# KiCad board left.kicad_pcb (continued)
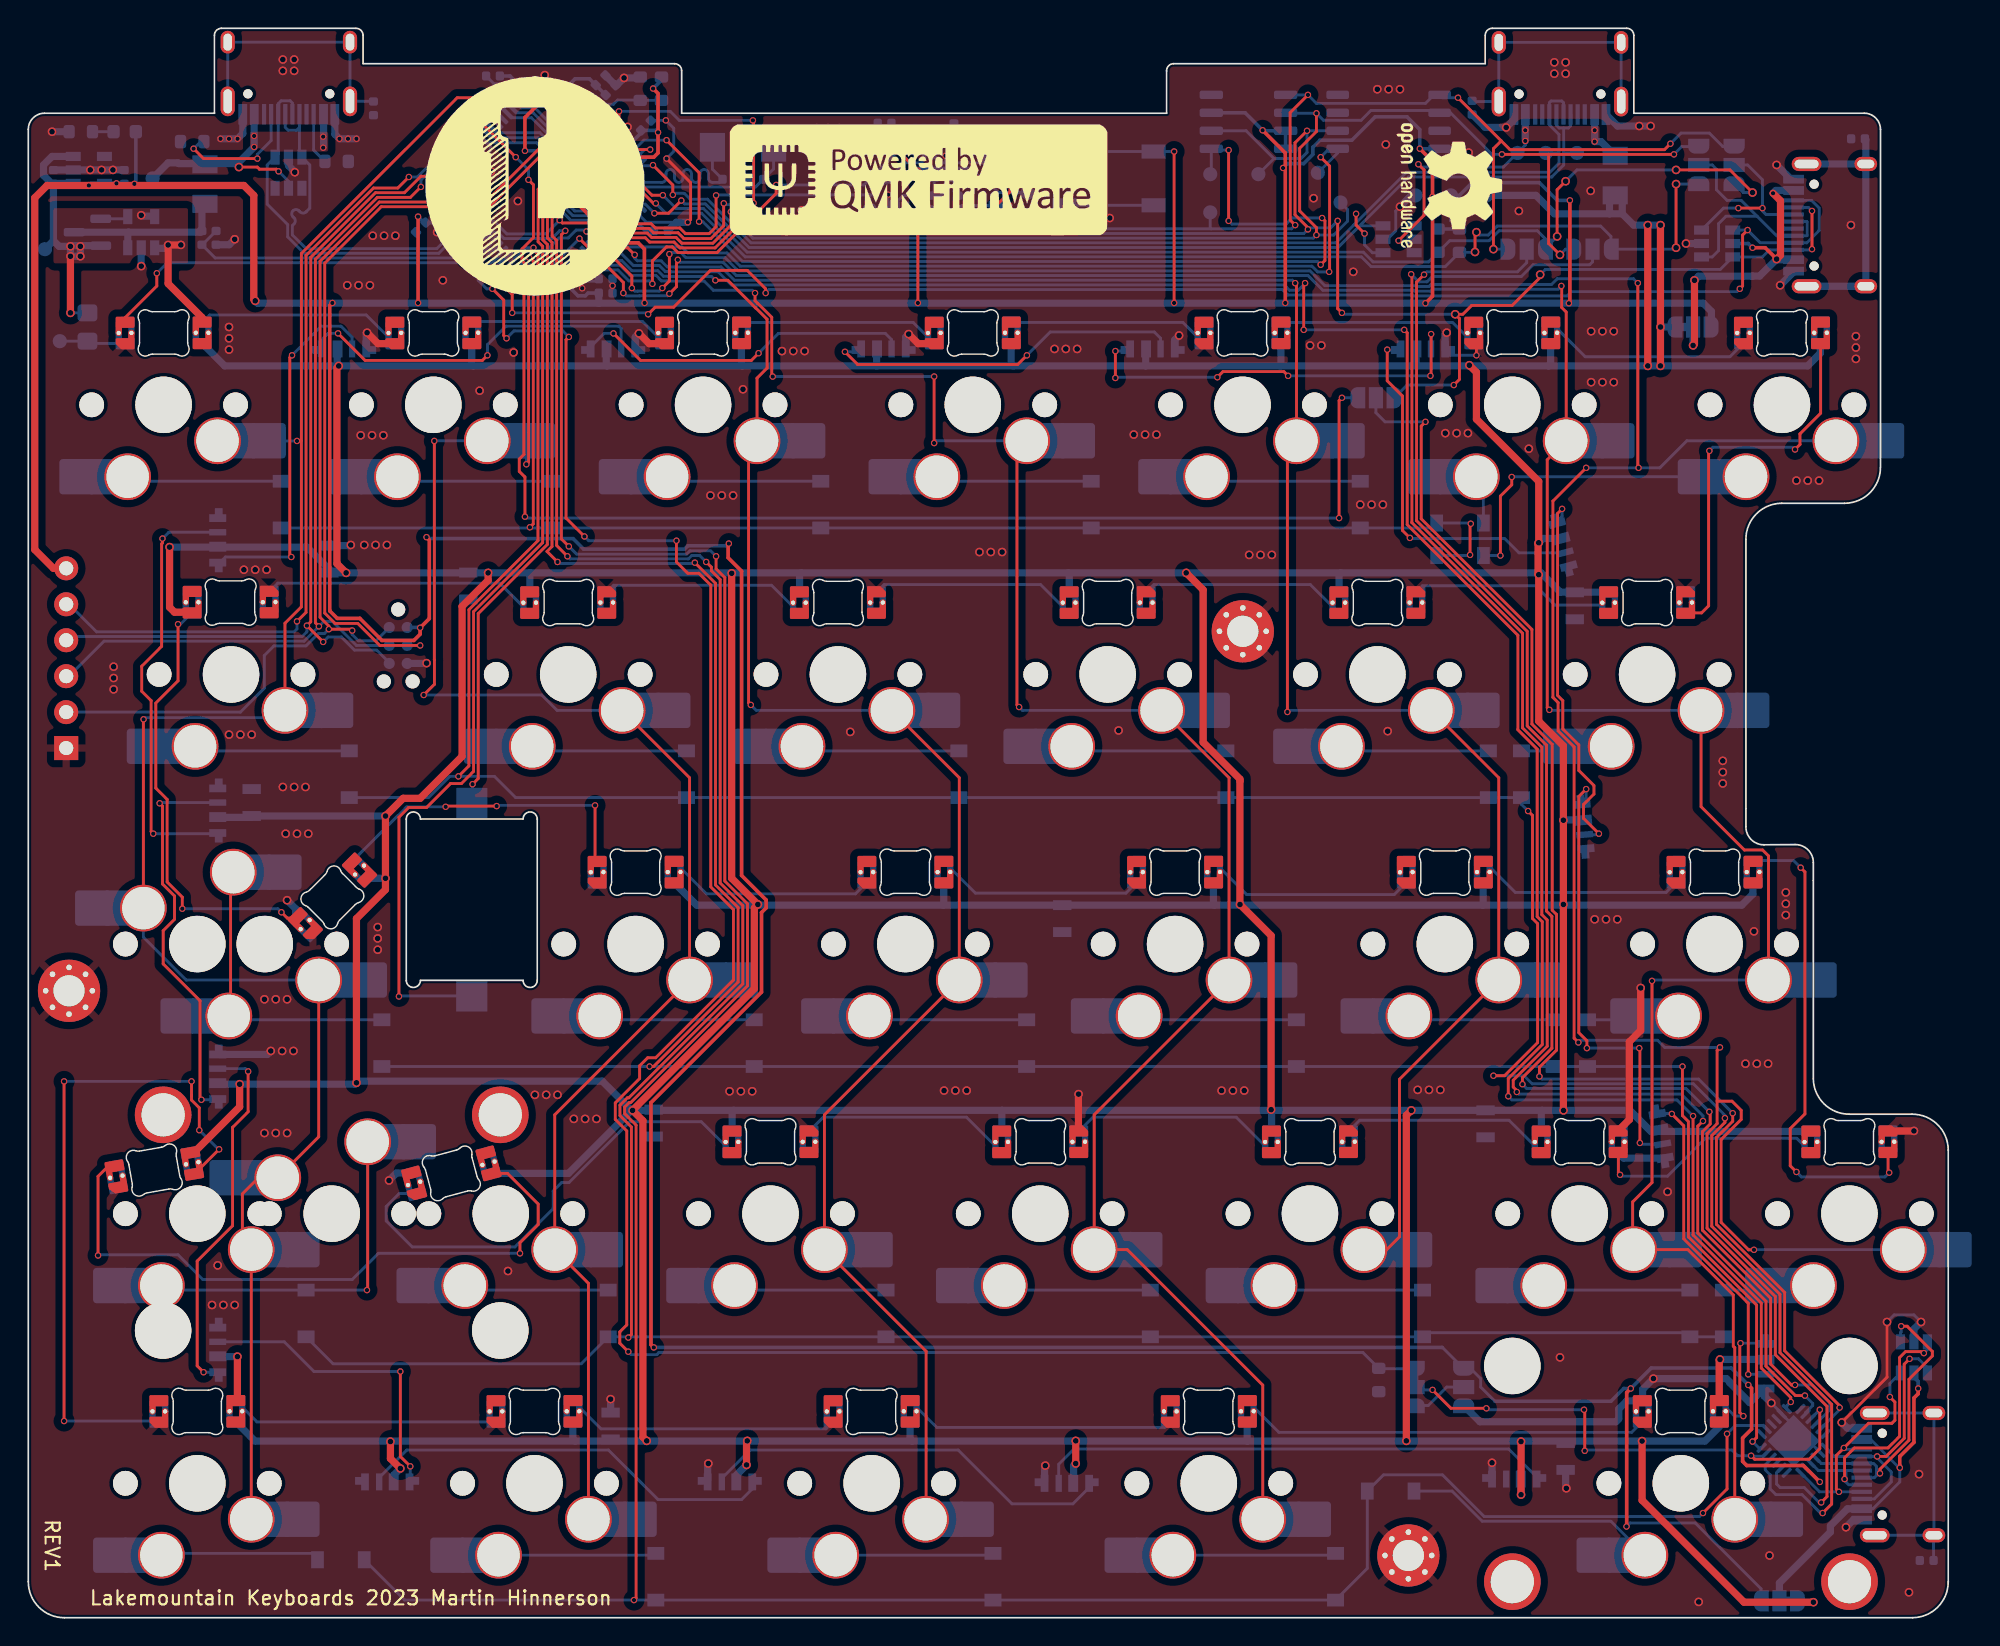
[diagram p0: board, top side]
## Routing (per net, layer and track width the routed paths; a pad name or vN(x,y) marks a point on that pad's centre or on a via; arc(x,y) is an arc through that point) (continued)
/CONN_CS: length 158.4
  Top w0.203: v2(97.17,90.99) 97.38,90.78 97.38,77.23 105.2,69.42 105.2,62.73 106.56,61.37 106.56,49.54 106.92,49.18 106.92,40.49 104.53,38.09 v2(104.53,36.84) ; v2(90.07,90.99) 90.07,94.19 v2(90.17,94.29) ; v2(124.47,15.24) 124.47,15.56 122.39,17.64 122.39,22.22 117.57,27.04 v2(117.57,35.44)
  Bottom w0.203: v2(117.57,35.44) 116.43,36.59 104.78,36.59 v2(104.53,36.84) ; v2(124.47,15.24) 124.19,14.96 U1.18 ; U3.25 40.85,96.44 41.83,96.44 42.73,95.54 44.56,95.54 44.99,95.11 45.36,95.11 45.38,95.09 48.73,95.09 49.65,94.17 88.7,94.17 89.08,93.79 89.69,93.79 90.17,94.28 v2(90.17,94.29) ; v2(97.17,90.99) v2(90.07,90.99)
/CONN_SEL: length 154.1
  Top w0.203: v2(39.27,76.39) 37.98,77.69 37.98,90.29 v2(38.18,90.49) ; v2(33.77,90.39) 33.57,90.59 33.57,93.09 v2(32.77,93.89) ; v2(45.77,76.09) 45.77,74.59 46.57,73.79 47.36,73.79 48.2,72.95 48.2,51.63 49.8,50.03 49.8,45.05 44.31,39.56 43.74,39.56 43.18,38.99 43.18,38.09 41.46,36.37 41.46,35.2 42.27,34.39 42.27,20.69 41.77,20.19 41.77,19.39 v2(42.38,18.79)
  Bottom w0.203: JP1.1 95.4,17.59 ; v2(38.18,90.49) 37.75,90.92 34.3,90.92 v2(33.77,90.39) ; U3.39 31.77,95.53 31.77,94.49 32.38,93.89 v2(32.77,93.89) ; R15.1 94.26,18.74 44.54,18.74 44.39,18.59 42.58,18.59 v2(42.38,18.79) ; v2(45.77,76.09) 39.57,76.09 v2(39.27,76.39)
/DFU: length 3.2
  Bottom w0.203: Q1.5 67.97,101.24 68.53,100.69 T27.1
/EEPROM_CS: length 73.2
  Top w0.203: v2(45.07,104.39) 47.38,102.09 v2(47.38,98.64) ; v2(84.78,98.69) v2(84.78,103.69) ; v2(91.28,95.59) 91.57,95.89 91.57,98.69 v2(91.38,98.89)
  Bottom w0.203: v2(45.07,104.39) 43.47,104.39 U3.14 ; v2(91.28,95.59) 91.05,95.82 50.45,95.82 47.63,98.64 v2(47.38,98.64) ; v2(84.78,103.69) 83.64,103.69 ; v2(84.78,98.69) 85.01,98.46 88.83,98.46 89.26,98.9 91.37,98.9 v2(91.38,98.89) ; 83.55,102.12 83.55,103.79
/F0: length 19.5
  Bottom w0.203: U3.5 38.59,105.88 38.59,104.99 42.5,101.08 51.35,101.08 C8.1 52.63,102.36 Y1.1
/F1: length 19.5
  Bottom w0.203: Y1.2 48.32,102.35 C9.1 48.81,101.41 48.34,101.41 arc(48.12,101.5) 48.04,101.71 48.04,102.02 arc(47.95,102.23) 47.74,102.32 arc(47.52,102.23) 47.44,102.02 47.44,101.71 arc(47.35,101.5) 47.14,101.41 arc(46.92,101.5) 46.84,101.71 46.84,102.02 arc(46.75,102.23) 46.54,102.32 arc(46.32,102.23) 46.24,102.02 46.24,101.71 arc(46.15,101.5) 45.94,101.41 arc(45.72,101.5) 45.64,101.71 45.64,102.02 arc(45.55,102.23) 45.34,102.32 arc(45.12,102.23) 45.04,102.02 45.04,101.71 arc(44.95,101.5) 44.74,101.41 42.64,101.41 38.92,105.13 38.92,105.5 U3.6
/FLASH_CS: length 63.7
  Top w0.203: v2(91.28,103.19) 91.91,102.56 91.91,95.12 v2(91.88,95.09)
  Bottom w0.203: v2(91.88,95.09) 91.87,95.09 91.06,95.09 90.66,95.49 50.28,95.49 49.34,96.43 46.58,96.43 46.15,96.85 41.15,96.85 U3.24 ; 92.47,103.79 92.47,103.49 T2.1 ; v2(91.28,103.19) 91.87,103.79
/I2C1_SCL: length 96.7
  Top w0.203: v1(102.17,96.49) 102.17,97.79 v1(102.28,97.89) ; v2(41.22,101.43) 41.49,101.7 42.38,101.7 44.15,99.93 v2(44.32,99.93) ; v1(116.38,96.79) v1(116.38,101.29)
  Bottom w0.203: U3.61 34.49,106.34 35.65,106.34 40.55,101.43 v2(41.22,101.43) ; v2(44.32,99.93) 45.02,99.23 47.55,99.23 50.63,96.15 94.15,96.15 94.84,95.46 100.07,95.46 101.07,96.47 102.15,96.47 v1(102.17,96.49) ; v1(102.28,97.89) 102.47,97.69 103.11,97.69 103.74,98.32 111.04,98.32 111.78,97.59 JP8.3 116.28,96.69 v1(116.38,96.79) ; v1(116.38,101.29) 117.92,101.29
/I2C1_SDA: length 100.5
  Top w0.203: v2(40.72,102.03) 42.52,102.03 44.04,100.51 v2(44.81,100.51) ; v1(116.38,102.29) 120.17,102.29 v1(121.78,100.69) ; v1(108.57,101.49) 107.97,100.89 v1(107.97,97.59)
  Bottom w0.203: 107.12,96.74 v1(107.97,97.59) ; U3.62 34.85,106.69 35.76,106.69 40.42,102.03 v2(40.72,102.03) ; v1(116.38,102.29) 109.38,102.29 v1(108.57,101.49) ; JP7.3 107.12,97.44 106.57,97.99 103.88,97.99 103.17,97.29 100.39,97.29 98.89,95.79 94.97,95.79 94.29,96.48 50.77,96.48 47.69,99.56 45.76,99.56 v2(44.81,100.51) ; v1(121.78,100.69) 121.12,100.69 JP3.3
/JOY_X: length 88.3
  Top w0.203: v2(92.78,86.19) 92.57,85.99 v2(92.57,77.69) ; v2(35.07,77.79) 35.07,80.59 34.68,80.99 34.68,81.86 35,82.19 35,93.86 33.38,95.49 32.68,95.49 v2(32.48,95.29)
  Bottom w0.203: JP2.3 v2(92.78,86.19) ; v2(35.07,77.79) 35.18,77.69 v2(92.57,77.69) ; v2(32.48,95.29) 32.48,95.52 U3.38
/NRST: length 103.3
  Top w0.203: v2(27.68,68.69) 24.82,68.69 23.27,70.25 21.67,70.25 20.94,70.98 20.94,95.7 24.93,99.69 31.98,99.69 36.34,104.06 41.29,104.06 41.72,104.49 v2(41.72,106.43) ; v2(51.18,105.79) 51.23,105.74 v2(51.23,99.94) ; v2(67.92,98.69) 67.92,99.34 69.32,100.74 v2(69.32,102.84)
  Bottom w0.203: U3.7 40.56,106.43 v2(41.72,106.43) 45.34,106.43 45.98,105.79 v2(51.18,105.79) ; Q1.6 68.62,102.83 ; T20.1 68.61,102.84 ; v2(51.23,99.94) 51.23,99.6 51.37,99.45 51.37,98.68 51.59,98.46 67.69,98.46 v2(67.92,98.69) ; 26.76,68.69 v2(27.68,68.69)
/RGB_DATA: length 50.1
  Top w0.203: v2(43.92,103.73) 36.61,103.73 30.98,98.09 v2(30.98,95.99) ; LEDa1.3 6.82,91.84 9.07,94.09 v2(9.07,94.99)
  Bottom w0.203: R12.1 T8.1 ; LEDa1.3 4.33,90.04 ; v2(30.98,95.99) 30.72,95.74 9.82,95.74 v2(9.07,94.99) ; 42.73,102.95 43.52,103.73 v2(43.92,103.73)
/row0: length 109.4
  Top w0.203: v2(35.43,77.04) 35.66,77.28 35.66,95.85 35.43,96.09 v2(35.38,96.09) ; v2(101.82,75.09) 101.82,77.24 v2(101.88,77.29)
  Bottom w0.203: Da7.1 101.78,75.05 v2(101.82,75.09) ; U3.35 35.17,96.09 v2(35.38,96.09) ; v2(101.88,77.29) 101.82,77.35 Da6.1 99.12,77 Da5.1 Da1.1
/row1: length 204.6
  Top w0.203: v2(103.47,38.29) 104.26,38.29 106.59,40.63 106.59,49.04 106.23,49.4 106.23,56.68 v2(105.92,56.99) ; v2(119.82,35.29) 119.82,34.99 118.9,34.06 118.9,27.66 123.72,22.84 123.72,18.72 127.36,15.07 127.36,8.03 v2(126.72,7.39) ; v2(30.38,59.44) 31.11,60.18 31.11,71.22 35.99,76.1 35.99,96.32 35.68,96.64 v2(35.68,96.79)
  Bottom w0.203: v2(119.82,35.29) 119.82,35.49 117.59,37.72 106.21,37.72 105.64,38.29 v2(103.47,38.29) ; Db1.1 28.27,57.95 29.77,59.45 32.92,59.45 34.42,57.95 Db2.1 Db6.1 105.45,57.46 v2(105.92,56.99) ; U1.10 123.13,11.25 122.67,10.79 122.67,10.44 123.03,10.09 123.03,9.09 123.42,8.69 125.28,8.69 126.57,7.39 v2(126.72,7.39) ; v2(35.68,96.79) 35.16,96.79 U3.36
/row2: length 202.3
  Top w0.203: v2(121.78,12.44) 122.06,12.73 122.06,22.09 117.24,26.91 117.24,35.06 116.82,35.48 v2(116.82,38.94) ; v2(43.88,38.94) 44.16,38.94 50.13,44.92 50.13,50.17 48.53,51.77 48.53,73.09 v2(47.07,74.54) ; v2(36.88,100.09) 36.67,99.88 36.67,97.49 36.99,97.17 36.99,75.69 36.63,75.34 v2(37.38,74.59)
  Bottom w0.203: v2(37.38,74.59) 37.48,74.49 37.98,74.49 37.98,74.48 47.01,74.48 v2(47.07,74.54) ; U3.22 40.35,99.06 38.45,99.06 37.42,100.09 v2(36.88,100.09) ; Dc1.1 Dc6.1 116.82,38.95 v2(116.82,38.94) ; U1.12 122.21,12.01 v2(121.78,12.44)
/row3: length 200.7
  Top w0.203: v2(47.88,74.59) 48.24,74.22 48.24,73.97 48.86,73.35 48.86,51.91 50.46,50.31 50.46,44.78 42.41,36.73 42.31,36.73 41.79,36.21 41.79,35.48 42.6,34.67 42.6,20.02 v2(42.38,19.79) ; v2(37.23,99.49) 37,99.26 37,97.62 37.32,97.3 37.32,75.75 v2(38.07,74.99)
  Bottom w0.203: Dd5.1 Dd2.1 39.05,17.94 21.52,17.94 Dd1.1 ; v2(37.23,99.49) 37.56,99.49 38.32,98.73 39.99,98.73 40.96,97.76 ; 117.06,20.14 98.76,20.14 ; v2(38.07,74.99) 38.26,74.81 46.63,74.81 46.86,75.05 47.42,75.05 v2(47.88,74.59) ; Dd7.1 Dd6.1
/row4: length 231.9
  Top w0.203: v2(119.97,12.99) 119.97,9.09 v2(118.28,7.39) ; v2(48.57,74.99) 48.57,74.1 49.19,73.49 49.19,52.04 50.79,50.44 50.79,44.64 42.55,36.4 42.44,36.4 42.12,36.08 42.12,35.61 42.93,34.8 42.93,1.4 v2(42.77,1.24) ; v2(37.93,97.99) 37.65,97.71 37.65,76.22 v2(38.18,75.69)
  Bottom w0.203: U3.41 32.73,97.89 33.15,97.89 33.6,97.44 36.98,97.44 37.53,97.99 v2(37.93,97.99) ; v2(48.57,74.99) 48.19,75.38 46.73,75.38 46.49,75.14 38.73,75.14 v2(38.18,75.69) ; De1.1 26.57,1.25 De4.1 94.57,3.49 De6.1 95.72,10.09 99.88,10.09 102.82,7.14 118.03,7.14 v2(118.28,7.39) ; U1.14 122.53,13.58 120.56,13.58 v2(119.97,12.99)
/SPI_MISO: length 143.4
  Top w0.203: v2(49.62,99.33) 49.62,98.39 48.34,97.11 46.16,97.11 45.75,97.52 44.02,97.52 43.71,97.83 42.22,97.83 v2(39.82,100.23) ; v2(90.38,98.09) 90.38,98.21 89.46,99.13 89.46,104.21 v2(90.31,105.06) ; v1(106.78,94.89) 106.78,94.69 104.8,92.72 101.94,92.72 101.32,92.09 v1(100.78,92.09) 101.07,91.79 101.07,87.49 v2(100.67,87.09) ; v2(92.47,98.69) 92.47,92.49 v2(92.78,92.19) ; v2(125.97,99.39) v2(125.97,96.69)
  Bottom w0.203: J6.A5 125.72,99.64 v2(125.97,99.39) ; 87.97,103.09 86.01,105.06 U4.2 ; 87.97,103.09 T14.1 ; 87.97,103.09 89.88,103.09 90.31,103.53 v2(90.31,105.06) U7.2 ; v1(106.78,94.89) 107.14,95.26 119.49,95.26 U11.6 122.47,96.14 122.97,96.64 J6.B5 125.92,96.64 v2(125.97,96.69) ; v2(100.67,87.09) 97.38,87.09 JP2.1 ; v2(49.62,99.33) 49.76,99.48 50.41,99.48 50.71,99.18 50.71,98.41 51.31,97.8 90.08,97.8 v2(90.38,98.09) 90.48,98.2 91.98,98.2 v2(92.47,98.69) ; v1(100.78,92.09) 92.88,92.09 v2(92.78,92.19) ; v2(39.82,100.23) 39.82,100.76 36.01,104.57 32.73,104.57 U3.56
/SPI_MOSI: length 117.8
  Top w0.203: v2(115.97,104.14) 115.56,103.72 104.64,103.72 104.03,104.34 ; 104.03,104.34 v2(100.97,107.39) ; 104.03,104.34 103.47,103.79 v1(103.47,96.69) ; v2(40.52,100.33) 42.69,98.16 43.85,98.16 44.15,97.85 45.88,97.85 46.3,97.44 48.21,97.44 49.11,98.35 49.11,99.92 v2(49.12,99.93) ; v2(89.47,98.39) 89.13,98.74 89.13,103.64 89.12,103.65 89.12,106.34 v2(90.38,107.59)
  Bottom w0.203: v2(89.47,98.39) 89.21,98.13 83.54,98.13 ; U7.5 99.88,107.39 v2(100.97,107.39) ; 83.54,98.13 51.45,98.13 51.04,98.55 51.04,99.32 50.52,99.84 49.21,99.84 v2(49.12,99.93) ; 83.54,98.13 83.47,98.19 T13.1 ; U3.57 33.08,104.92 36.13,104.92 40.46,100.59 40.46,100.39 v2(40.52,100.33) ; JP3.1 119.67,103.94 118.72,104.89 116.72,104.89 v2(115.97,104.14) ; JP7.1 v1(103.47,96.69) ; 99.28,107.6 98.67,106.99 90.97,106.99 v2(90.38,107.59) 88.81,107.59
/SPLIT_HAND_PIN: length 6.4
  Bottom w0.203: R4.1 R3.2 ; 43.19,107.23 41.62,107.23 41.32,106.93 40.42,106.93 40.02,107.33 39.34,107.33 U3.4
/USART2_RX: length 77.8
  Top w0.203: v2(46.12,100.13) 45.22,99.23 v2(44.22,99.23)
  Bottom w0.203: U9.3 94.03,98.34 93.97,98.29 ; v2(44.22,99.23) 43.58,99.87 U3.17 ; J2.A6 107.92,105.44 108.11,105.26 108.44,105.26 ; 93.97,98.29 92.49,96.81 50.9,96.81 47.82,99.89 46.36,99.89 v2(46.12,100.13) ; 93.97,98.29 97.47,101.79 107.59,101.79 108.44,102.64 108.44,103.56 ; 108.44,103.56 108.5,103.49 T4.1 ; 108.44,103.56 108.44,105.26 ; 108.44,105.26 108.78,105.26 108.92,105.41 J2.B6
/USART2_TX: length 82.5
  Top w0.203: v2(94.38,97.79) 93.78,98.39 v2(93.78,99.19) ; v2(45.52,100.53) 45.52,101.23 v2(44.12,102.63)
  Bottom w0.203: v2(44.12,102.63) 44.08,102.59 U3.16 ; v2(45.52,100.53) 45.63,100.64 46.33,100.64 46.75,100.22 47.96,100.22 51.04,97.14 92.36,97.14 93.59,98.38 ; 93.59,98.38 97.34,102.12 107.46,102.12 108.11,102.78 108.11,103.43 ; 93.59,98.38 93.78,98.56 v2(93.78,99.19) ; J2.A7 108.42,107.04 108.3,107.16 107.55,107.16 107.42,107.04 J2.B7 107.42,105.48 108.11,104.8 108.11,103.43 ; U9.1 94.92,96.44 94.38,96.99 v2(94.38,97.79) ; T3.1 108.04,103.49 108.11,103.43
/USB_D+: length 26.5
  Bottom w0.203: 19.15,103.37 J1.B6 19.15,105.3 18.95,105.09 18.35,105.09 18.15,105.3 J1.A6 ; U2.3 19.88,102.64 19.88,99.59 19.62,99.33 arc(19.4,99.24) 19.19,99.33 19.12,99.41 arc(18.9,99.49) 18.69,99.41 arc(18.6,99.19) 18.69,98.98 18.77,98.91 arc(18.86,98.69) 18.77,98.48 18.65,98.36 18.65,97.7 19.62,96.73 28.85,96.73 30.81,98.69 U3.45
/USB_D-: length 26.5
  Bottom w0.203: J1.A7 18.65,107.02 18.49,107.18 17.86,107.18 17.65,106.97 J1.B7 17.65,103.42 U2.1 16.87,102.64 16.87,99.88 18.32,98.43 18.32,97.56 19.48,96.4 28.99,96.4 31.04,98.46 U3.44
/USB_VBUS: length 17.2
  Top w0.203: v1(14.88,102.49) 16.18,102.49 16.32,102.34 17.52,102.34 v2(17.68,102.19)
  Bottom w0.203: U2.5 18.38,101.49 v2(17.68,102.19)
  Bottom w0.508: T22.1 9.87,102.79 10.57,102.79 10.63,102.74 14.77,102.74 v2(15.95,103.92) v2(15.95,104.69) J1.A4 ; J1.A9 20.85,103.89
  vias: v2(20.82,104.64) v2(20.82,103.87)
/USB_VBUS_FUSED: length 11.9
  Bottom w0.508: 12.26,99.68 R7.1 12.18,97.89 7.07,97.89 ; 7.07,97.89 7.02,97.84 7.02,96.75 ; 7.07,97.89 3.24,97.89
/USB_VBUS_IN_LINK: length 21.5
  Top w0.203: v2(96.78,97.29) 98.57,99.09 98.57,102.29 v2(98.17,102.69)
  Bottom w0.203: v2(96.78,97.29) 97.78,97.29 ; v2(98.17,102.69) 98.38,102.49 104.17,102.49 T23.1 105.72,104.04 v2(105.72,104.34)
  Bottom w0.508: J2.A9 v2(110.62,105.09) v2(110.62,104.29) 111.07,104.29 F2.1 ; J2.A4 v2(105.72,105.09) v2(105.72,104.34)
/VCAP_1: length 2
  Bottom w0.203: 40.13,94.43 39.34,94.43 38.49,95.27
/x1: length 97.3
  Top w0.203: v2(120.38,35.64) 120.38,35.07 119.23,33.93 119.23,27.79 124.05,22.97 124.05,18.86 127.92,14.98 v2(127.92,14.84) ; v2(106.72,38.24) 106.72,38.89 107.93,40.1 107.93,49.68 107.62,49.99 107.62,61.71 106.19,63.14 106.19,69.83 98.38,77.64 98.38,84.19 v2(98.67,84.49)
  Bottom w0.203: v2(106.72,38.24) 106.91,38.05 117.96,38.05 v2(120.38,35.64) ; v2(98.67,84.49) 95.82,84.49 95.17,85.14 JP2.2 ; v2(127.92,14.84) 127.92,14.69 126.58,13.34 U1.23
/x2: length 112.1
  Top w0.203: v2(105.53,37.69) 105.53,38.16 107.6,40.24 107.6,49.55 107.22,49.93 107.22,61.64 105.86,63.01 105.86,69.69 98.04,77.51 98.04,94.36 v2(98.57,94.89) ; v2(124.78,16.44) 124.52,16.44 123.05,17.91 123.05,22.56 118.24,27.38 118.24,34.34 118.78,34.88 118.78,35.69 v2(118.72,35.74)
  Bottom w0.203: v2(105.53,37.69) 105.82,37.39 117.07,37.39 v2(118.72,35.74) ; v2(124.78,16.44) 125.97,16.44 127.22,15.19 127.22,14.68 126.24,13.69 ; v2(98.57,94.89) 98.78,95.09 105.18,95.09 105.82,95.74 JP7.2
/x3: length 116.4
  Top w0.203: v2(118.28,35.09) 117.91,34.72 117.91,27.18 122.72,22.36 122.72,17.78 124.81,15.69 v2(125.47,15.69) ; v2(105.12,37.14) 105.12,37.24 104.88,37.49 104.88,37.98 107.27,40.38 107.27,49.29 106.89,49.67 106.89,61.51 105.53,62.87 105.53,69.55 97.71,77.37 97.71,94.87 v2(97.67,94.92)
  Bottom w0.203: JP8.2 110.47,95.79 110.28,95.59 106.28,95.59 105.44,94.76 99.16,94.76 98.79,94.39 98.2,94.39 v2(97.67,94.92) ; v2(125.47,15.69) 126.03,15.14 126.03,14.99 125.51,14.48 U1.20 ; v2(118.28,35.09) 118.28,35.46 116.74,36.99 105.28,36.99 v2(105.12,37.14)
/z1: length 18.4
  Top w0.203: v2(132.87,18.29) 132.49,17.91 132.49,12.68 131.21,11.39 v2(130.57,11.39)
  Bottom w0.203: U1.1 127.54,11.39 J3.A5 130.47,11.39 131.57,10.29 131.57,9.59 130.38,8.39 J3.B5 ; 134.12,17.66 133.49,18.29 132.87,18.29 v2(132.87,18.29)
/z2: length 20.8
  Top w0.203: v2(130.78,10.19) 130.78,10.49 132.82,12.54 132.82,16.84 134.47,18.49 134.47,18.81 132.69,20.59 v2(132.28,20.59)
  Bottom w0.203: 130.53,10.24 130.53,10.69 130.32,10.89 J3.B7 126.63,10.89 U1.3 ; 130.53,10.24 130.57,10.19 v2(130.78,10.19) ; 130.53,10.24 130.53,10.04 130.38,9.89 J3.A7 ; U10.1 132.22,20.14 132.28,20.19 v2(132.28,20.59)
/z3: length 20.4
  Top w0.203: v2(133.88,18.69) 133.78,18.69 133.67,18.8 132.58,18.8 132.16,18.38 132.16,12.81 131.34,11.99 128.97,11.99 128.28,11.29 v2(128.28,9.79)
  Bottom w0.203: J3.A6 128.38,10.39 ; 128.38,10.39 128.38,9.79 ; 128.38,10.39 126.42,10.39 U1.4 ; 128.38,9.79 128.38,9.58 128.56,9.39 J3.B6 ; 128.38,9.79 v2(128.28,9.79) ; v2(133.88,18.69) 134.12,18.94 U10.3
/z4: length 17.8
  Top w0.203: v2(131.47,15.59) 131.83,15.24 131.83,13.95 131.62,13.74 129.97,13.74 v2(128.22,11.99) 127.69,11.46 127.69,9.08 v2(127.88,8.89)
  Bottom w0.203: U1.6 126.51,8.89 J3.A8 ; v2(131.47,15.59) 131.47,16.54 U10.6 ; v2(128.22,11.99) 128.32,11.89 J3.B8
JTCK: length 63.5
  Top w0.203: v2(20.52,70.04) 20.27,70.29 20.27,95.98 24.65,100.35 26.99,100.35 v2(27.73,101.09)
  Bottom w0.203: J5.4 23.18,68.69 21.48,70.39 20.88,70.39 v2(20.52,70.04) 19.48,69 5.35,69 2.88,66.52 ; v2(27.73,101.09) 27.73,101.58 28.74,102.59 U3.49
JTDI: length 57.3
  Top w0.203: v2(18.98,70.39) 19.61,71.03 19.61,96.25 24.38,101.01 26.1,101.01 v2(26.88,101.79)
  Bottom w0.203: 2.88,71.6 4.82,69.66 18.77,69.66 18.98,69.86 v2(18.98,70.39) ; U3.50 29.61,103.44 29.12,103.44 27.48,101.79 v2(26.88,101.79)
JTDO: length 186.1
  Top w0.203: 107.38,103.39 107.38,97.09 v1(108.17,96.29) ; 107.38,103.39 v2(116.22,103.39) ; 107.38,103.39 v2(104.07,103.39) ; v2(90.97,97.69) 90.97,98.21 89.79,99.4 89.79,103.82 90.97,105.01 v2(90.97,106.29) ; v2(39.12,100.33) 39.12,100.13 41.75,97.5 43.57,97.5 43.88,97.19 45.61,97.19 46.02,96.78 48.5,96.78 50.2,98.48 v2(50.2,98.97) ; v2(28.73,101.84) 27.73,101.84 26.57,100.68 24.52,100.68 19.94,96.11 19.94,70.36 v2(19.68,70.09) v2(20.82,68.94)
  Bottom w0.203: v1(108.17,96.29) 108.57,96.69 JP8.1 ; JP4.1 116.78,103.94 v2(116.22,103.39) ; T15.1 93.17,99.49 93.17,98.68 92.19,97.69 v2(90.97,97.69) 90.75,97.47 51.18,97.47 50.2,98.45 v2(50.2,98.97) ; v2(104.07,103.39) 103.38,103.39 100.44,106.33 99.67,106.33 ; 88.84,106.29 v2(90.97,106.29) 91.47,105.8 94.13,105.8 94.82,106.49 99.51,106.49 ; 25.49,67.48 24.61,68.36 23.04,68.36 22.11,69.29 21.18,69.29 v2(20.82,68.94) ; v2(39.12,100.33) 39.12,101 35.9,104.22 32.37,104.22 U3.55 32.63,103.96 32.63,103.64 30.63,101.64 28.93,101.64 v2(28.73,101.84) ; 3.14,69.33 19.34,69.33 19.68,69.66 v2(19.68,70.09)
JTMS: length 67.4
  Top w0.203: v2(22.88,69.74) 22.77,69.84 v2(21.23,69.84) 21.23,70.06 20.61,70.68 20.61,95.84 24.79,100.02 31.01,100.02 v2(31.22,100.23)
  Bottom w0.203: 2.88,63.98 14.98,63.98 16.67,65.67 16.67,67.99 17.35,68.67 19.61,68.67 20.48,69.54 20.92,69.54 v2(21.23,69.84) ; v2(22.88,69.74) 22.88,69.46 23.31,69.02 24.55,69.02 J5.2 ; v2(31.22,100.23) 31.22,99.92 U3.46
Net-(D3-K): length 1.5
  Bottom w0.203: R11.1 D3.2
Net-(D4-Pad+): length 1
  Bottom w0.203: D4.+ R14.2
Net-(D4-Pad-): length 1.8
  Bottom w0.203: D4.- 61.34,105.21 Q3.4
Net-(Da1-A): length 10.5
  Bottom w0.203: Da1.2 7.34,80.3
Net-(Da2-A): length 10.6
  Bottom w0.203: Da2.2 26.39,80.3
Net-(Da3-A): length 10.5
  Bottom w0.203: Da3.2 45.44,80.3
Net-(Da4-A): length 10.6
  Bottom w0.203: Da4.2 64.49,80.3
Net-(Da5-A): length 10.5
  Bottom w0.203: Da5.2 83.54,80.3
Net-(Da6-A): length 2.8
  Bottom w0.203: Da6.2 102.77,80.11
Net-(Da7-A): length 23.6
  Top w0.203: v2(103.97,75.05) 103.97,79.25 104.77,80.05 v2(104.77,80.6)
  Bottom w0.203: SWa7.2 104.79,80.62 v2(104.77,80.6) ; Da7.2 v2(103.97,75.05)
Net-(Db1-A): length 10.6
  Bottom w0.203: Db1.2 12.1,61.25
Net-(Db2-A): length 10.6
  Bottom w0.203: Db2.2 35.91,61.25
Net-(Db3-A): length 10.8
  Bottom w0.203: Db3.2 54.96,61.25
Net-(Db4-A): length 10.6
  Bottom w0.203: Db4.2 74.01,61.25
Net-(Db5-A): length 10.1
  Bottom w0.203: Db5.2 93.06,61.25
Net-(Db6-A): length 6
  Bottom w0.203: Db6.2 111.47,61.25
Net-(Dc1-A): length 20.4
  Top w0.203: 14.29,52.49 14.29,42.64
  Bottom w0.203: Dc1.2 14.43,42.25
Net-(Dc2-A): length 10.6
  Bottom w0.203: Dc2.2 40.62,42.25
Net-(Dc3-A): length 10.8
  Bottom w0.203: Dc3.2 59.67,42.25
Net-(Dc4-A): length 10.8
  Bottom w0.203: Dc4.2 78.72,42.25
Net-(Dc5-A): length 10
  Bottom w0.203: Dc5.2 97.77,42.25
Net-(Dc6-A): length 2.6
  Bottom w0.203: Dc6.2 112.73,42.25
Net-(Dd1-A): length 24.7
  Top w0.203: 23.97,33.63 23.97,23.2 v2(23.92,23.15)
  Bottom w0.203: 9.72,23.15 Dd1.2 v2(23.92,23.15)
Net-(Dd2-A): length 9.8
  Bottom w0.203: Dd2.2 31.15,23.15
Net-(Dd3-A): length 10.4
  Bottom w0.203: Dd3.2 50.2,23.15
Net-(Dd4-A): length 10
  Bottom w0.203: Dd4.2 69.25,23.15
Net-(Dd5-A): length 10.2
  Bottom w0.203: Dd5.2 88.3,23.15
Net-(Dd6-A): length 10
  Bottom w0.203: Dd6.2 107.35,23.15
Net-(Dd7-A): length 6
  Bottom w0.203: Dd7.2 125.76,23.15
Net-(De1-A): length 11.2
  Bottom w0.203: 20.7,4.55 9.53,4.55
Net-(De2-A): length 11
  Bottom w0.203: SWe2.2 44.19,4.42
Net-(De3-A): length 11
  Bottom w0.203: SWe3.2 68,4.42
Net-(De4-A): length 11.4
  Bottom w0.203: SWe4.2 92.19,4.42
Net-(De5-A): length 1.4
  Bottom w0.203: R6.2 65.38,100.78 De5.2
Net-(De5-K): length 5.2
  Bottom w0.203: R9.1 61.78,100.48 61.38,100.08 U8.2 ; R9.1 C4.1 ; R9.1 63.98,100.78 De5.1
Net-(De6-A): length 18.2
  Bottom w0.203: De6.2 100.56,8.95 102.69,6.81 111.77,6.81 SWe6.2
Net-(J1-CC1): length 9
  Top w0.203: v2(11.68,103.79) 12.38,103.09 v2(16.18,103.09)
  Bottom w0.203: v2(16.18,103.09) 16.18,103.39 17.15,104.37 J1.A5 ; v2(11.68,103.79) 12.18,104.29
Net-(J1-CC2): length 3.7
  Bottom w0.203: J1.B5 20.15,103.69 R2.2
Net-(J1-SHIELD): length 18.6
  Bottom w0.203: J1.S1 J1.S1 J1.S1 J1.S1 24.36,107.14
Net-(J2-SHIELD): length 18.8
  Bottom w0.203: J2.S1 J2.S1 J2.S1 J2.S1 102.03,107.12
Net-(J3-SHIELD): length 18.8
  Bottom w0.203: J3.S1 J3.S1 J3.S1 J3.S1 ; FB3.1 134.56,5.8
Net-(J6-SHIELD): length 18.8
  Bottom w0.508: FB4.1 129.78,104.43 J6.S1 ; J6.S1 J6.S1 J6.S1 ; J6.S1 J6.S1
Net-(JP1-B): length 4
  Bottom w0.203: JP6.2 100.17,16.29 98.88,14.99 JP1.3
Net-(JP1-C): length 37.4
  Top w0.203: v2(99.17,16.09) 100.47,14.79 v2(102.97,14.79) ; v2(109.88,14.69) 109.92,14.64 v2(109.92,11.79) ; v2(121.67,11.44) 121.92,11.19 125.78,11.19 126.53,11.94 v2(126.53,14.69)
  Bottom w0.203: v2(109.92,11.79) 109.98,11.85 120.32,11.85 120.72,11.44 v2(121.67,11.44) 121.71,11.41 122.53,11.41 U1.11 ; v2(99.17,16.09) 98.07,16.09 ; U1.21 126.52,14.69 v2(126.53,14.69) ; v2(109.88,14.69) 103.07,14.69 v2(102.97,14.79)
Net-(JP3-C): length 14.8
  Top w0.203: v2(120.78,99.59) v2(122.47,99.59)
  Bottom w0.203: v2(120.78,99.59) 119.72,99.59 U11.3 ; 124.72,98.14 123.8,98.14 123.73,98.21 123.73,99.07 123.8,99.14 124.72,99.14 ; J6.B7 122.72,99.14 122.47,99.39 122.47,101.6 121.43,102.64 JP3.2
Net-(JP4-C): length 18.7
  Bottom w0.203: 122.1,99.02 119.9,99.02 119.38,98.49 119.38,96.59 118.92,96.14 U11.1 ; 122.1,99.02 123.47,97.64 J6.B6 125.61,97.64 125.63,97.67 125.63,98.62 125.61,98.64 J6.A6 ; 122.1,99.02 120.97,100.14 119.97,100.14 119.22,100.89 119.22,102.35 118.93,102.64 JP4.2
Net-(JP5-C): length 24.5
  Top w0.254: v2(133.47,16.19) 133.47,15.82 133.17,15.52 133.17,12.39 132.17,11.39 v2(132.17,10.59)
  Bottom w0.203: J3.A9 130.28,7.69 132.17,9.59 132.17,10.54 130.12,12.59 J3.A4
  Bottom w0.254: v2(133.47,16.19) 133.47,16.69 133.17,16.99
  Bottom w0.508: J3.A9 128.47,7.69 127.28,6.49 127.28,6.05 123.67,2.45 JP5.2
Net-(JP9-C): length 23.7
  Top w0.254: v2(121.78,96.79) 122.67,96.79 v1(123.47,95.99)
  Top w0.508: v1(123.47,95.99) 123.75,96.27 123.75,100.12 v2(123.22,100.64) ; v1(117.57,89.89) 117.67,89.99 v1(117.67,94.49)
  Bottom w0.254: v2(121.78,96.79) 121.47,97.09 U11.5
  Bottom w0.508: J6.A4 123.42,100.84 v2(123.22,100.64) ; v1(117.57,89.89) JP9.2 ; J6.A9 123.53,95.94 v1(123.47,95.99) 122.28,94.79 121.78,94.79 121.76,94.78 117.96,94.78 v1(117.67,94.49)
Net-(LEDa1-DOUT): length 14.6
  Bottom w0.203: LEDa2.3 23.87,92.04 12.81,92.04 LEDa1.2
Net-(LEDa2-DOUT): length 14.2
  Bottom w0.203: LEDa3.3 43.38,91.58 31.4,91.58
Net-(LEDa3-DOUT): length 14.2
  Bottom w0.203: LEDa4.3 62.49,91.52 LEDa3.2
Net-(LEDa4-DOUT): length 14.2
  Bottom w0.203: LEDa5.3 81.54,91.52 LEDa4.2
Net-(LEDa5-DOUT): length 14.2
  Bottom w0.203: LEDa5.2 100.59,91.52 LEDa6.3
Net-(LEDa6-DOUT): length 15
  Bottom w0.203: LEDa6.2 109.96,89.09 120.18,89.09 LEDa7.3
Net-(LEDa7-DOUT): length 27.3
  Top w0.203: v2(124.78,82.54) 125.12,82.89 125.12,83.64 126.59,85.1 LEDa7.2 ; LEDb6.3 118.18,71 118.67,71.49 118.67,82.39 v2(118.72,82.44)
  Bottom w0.203: v2(124.78,82.54) 124.62,82.69 118.97,82.69 v2(118.72,82.44)
Net-(LEDb1-DIN): length 19.5
  Bottom w0.203: LEDb1.3 17.62,73.09 33.29,73.09 LEDb2.2
Net-(LEDb1-DOUT): length 31.1
  Top w0.203: v2(10.88,50.09) 10.88,50.91 9.81,51.98 9.81,57.81 9.01,58.61 9.01,64.62 10.57,66.19 v2(10.57,70.19) ; v2(17.88,49.84) 18.29,49.43 18.88,49.43
  Bottom w0.203: v2(10.88,50.09) 17.63,50.09 v2(17.88,49.84) ; LEDb1.2 10.74,70.19 v2(10.57,70.19)
Net-(LEDb2-DIN): length 14.6
  Bottom w0.203: LEDb2.3 41.34,72.95 52.49,72.95 LEDb3.2
Net-(LEDb3-DIN): length 14.6
  Bottom w0.203: LEDb3.3 60.44,73 71.49,73 LEDb4.2
Net-(LEDb4-DIN): length 14.6
  Bottom w0.203: LEDb5.2 90.54,73 79.49,73 LEDb4.3
Net-(LEDb5-DIN): length 14.6
  Bottom w0.203: LEDb6.2 111.04,71.55 107.82,71.55 106.45,72.91 98.46,72.91 LEDb5.3
Net-(LEDc1-DOUT): length 22.8
  Top w0.203: v2(29.48,57.29) 29.52,57.34 v2(33.07,57.34) ; v2(40.02,57.39) 40.02,53.54
  Bottom w0.203: v2(29.48,57.29) 26.73,57.29 22.73,53.3 ; v2(33.07,57.34) 33.13,57.39 v2(40.02,57.39)
Net-(LEDc2-DOUT): length 14.9
  Bottom w0.203: LEDc3.3 58.42,51.14 47.89,51.14 LEDc2.2
Net-(LEDc3-DOUT): length 14.8
  Bottom w0.203: LEDc4.3 77.52,51.19 66.89,51.19 LEDc3.2
Net-(LEDc4-DOUT): length 14.9
  Bottom w0.203: LEDc5.3 96.47,51.09 86.04,51.09 LEDc4.2
Net-(LEDc5-DOUT): length 14.7
  Bottom w0.203: 102.85,53.42 105.02,51.24 115.67,51.24 LEDc6.3
Net-(LEDc6-DOUT): length 34
  Top w0.203: LEDd7.3 131.35,31.52 v2(131.42,31.44) ; v2(125.17,52.99) 125.47,52.69 125.47,35.59 124.44,34.56 124.44,31.93 v2(124.88,31.49)
  Bottom w0.203: 121.9,53.49 124.67,53.49 v2(125.17,52.99) ; v2(131.42,31.44) 131.12,31.14 125.22,31.14 v2(124.88,31.49)
Net-(LEDd1-DIN): length 46.1
  Top w0.203: 5.62,31.87 4.93,31.18 v2(4.93,25.59) ; LEDd2.2 33.84,31.4 36.01,29.23 36.01,27.78 34.73,26.49 v2(34.73,25.74)
  Bottom w0.203: v2(34.73,25.74) 24.73,25.74 22.88,23.89 12.32,23.89 10.57,25.64 4.98,25.64 v2(4.93,25.59)
Net-(LEDd1-DOUT): length 47.7
  Top w0.203: v2(11.52,37.89) 11.52,36.58 12.07,36.03 v2(12.07,34.44) ; v2(2.52,37.89) v2(2.52,13.89) ; 11.77,31.38 v2(13.48,33.09)
  Bottom w0.203: v2(2.52,13.89) 9.15,13.89 ; v2(12.07,34.44) 13.43,33.09 v2(13.48,33.09) ; v2(11.52,37.89) v2(2.52,37.89)
Net-(LEDd2-DIN): length 34
  Bottom w0.203: LEDd3.2 47.53,35.05 42.48,35.05 38.18,30.75 37.67,30.75 37.07,30.15 37.07,28.9 34.37,26.2 27.12,26.2 25.28,28.04 25.28,29.06 26.19,29.97 LEDd2.3
Net-(LEDd3-DIN): length 15
  Bottom w0.203: LEDd3.3 56.15,35.36 66.26,35.36 LEDd4.2
Net-(LEDd4-DIN): length 15
  Bottom w0.203: LEDd4.3 75.2,35.36 85.31,35.36 LEDd5.2
Net-(LEDd5-DIN): length 14.8
  Bottom w0.203: LEDd6.2 104.58,35.15 94.03,35.15 LEDd5.3
Net-(LEDd6-DIN): length 16.7
  Top w0.203: LEDd6.3 112.3,31.41 v2(112.42,31.3)
  Bottom w0.203: v2(112.42,31.3) 112.52,31.2 115.77,31.2 118.44,33.87 124.9,33.87 LEDd7.2
Net-(LEDe1-DOUT): length 19
  Bottom w0.203: LEDe1.2 16.15,13.83 33.02,13.83
Net-(LEDe2-DOUT): length 19.4
  Bottom w0.203: LEDe3.3 56.34,13.34 40.45,13.34 LEDe2.2
Net-(LEDe3-DOUT): length 19.3
  Bottom w0.203: LEDe3.2 64.16,13.44 80.25,13.44 LEDe4.3
Net-(LEDe4-DOUT): length 29.1
  Bottom w0.203: LEDe5.3 113.24,13.09 88.33,13.09 LEDe4.2
Net-(LEDe5-DOUT): length 9.1
  Top w0.203: v2(120.92,19.39) 120.88,19.34 120.88,14.49 v2(121.12,14.24)
  Bottom w0.203: v2(121.12,14.24) 120.51,14.24 LEDe5.2 ; LEDs1.3 120.93,19.4 v2(120.92,19.39)
Net-(LEDs1-DOUT): length 22.9
  Top w0.203: v2(116.07,35.59) 116.91,34.75 116.91,26.77 121.47,22.21 v2(121.47,17.19)
  Bottom w0.203: v2(116.07,35.59) 116.05,35.62 LEDs2.3 ; LEDs1.2 121.48,17.2 v2(121.47,17.19)
Net-(LEDs2-DOUT): length 31.9
  Top w0.203: v2(113.78,40.24) 113.82,40.2 v2(113.82,33.55) ; v2(110.07,40.24) 110.07,40.76 109.51,41.33 109.51,58.02 v2(110.03,58.54)
  Bottom w0.203: LEDs3.3 110.03,57.91 v2(110.03,58.54) ; v2(113.82,33.55) 113.91,33.45 LEDs2.2 ; v2(113.78,40.24) v2(110.07,40.24)
Net-(LEDs3-DOUT): length 27.2
  Top w0.203: v2(108.32,78.34) 108.01,78.02 108.01,65.16 108.38,64.79 108.38,62.79 109.51,61.66 109.51,59.86 110.57,58.79 110.57,58.19 109.84,57.45 109.84,56.48 v2(110.92,55.39)
  Bottom w0.203: LEDs4.3 108.32,77.83 v2(108.32,78.34) ; LEDs3.2 110.85,55.32 v2(110.92,55.39)
Net-(LEDs4-DOUT): length 26.2
  Top w0.203: v2(95.97,89.59) 95.97,87.39 97.05,86.31 97.05,76.81 v2(97.57,76.29)
  Bottom w0.203: LEDs5.3 96.02,89.55 v2(95.97,89.59) ; LEDs4.2 105.28,75.24 104.28,76.24 97.62,76.24 v2(97.57,76.29)
Net-(LEDs5-DOUT): length 29.5
  Top w0.203: v2(99.03,87.74) 99.07,87.79 v2(99.07,90.69) ; v2(76.78,87.59) v2(76.78,89.49) ; v2(88.97,87.74) 88.67,88.05 84.38,88.05 v2(83.97,87.64)
  Bottom w0.203: v2(76.78,89.49) 77.72,89.49 ; v2(76.78,87.59) 76.82,87.64 v2(83.97,87.64) ; LEDs5.2 99.07,90.69 v2(99.07,90.69) ; v2(88.97,87.74) v2(99.03,87.74)
Net-(LEDs6-DOUT): length 25.6
  Top w0.203: v2(57.68,89.44) 58.57,88.54 69.88,88.54 v2(70.53,89.19)
  Bottom w0.203: v2(57.68,89.44) 58.67,89.44 ; LEDs6.2 79.97,90.4 79.53,90.84 72.17,90.84 v2(70.53,89.19)
Net-(LEDs7-DOUT): length 24.2
  Top w0.203: v2(41.32,90.74) 43.24,88.83 51.06,88.83 v2(51.57,89.34)
  Bottom w0.203: v2(41.32,90.74) 40.67,90.74 39.67,89.74 ; v2(51.57,89.34) 52.98,90.74 60.52,90.74 60.97,90.3 LEDs7.2
Net-(LEDs8-DOUT): length 25.9
  Top w0.203: v2(32.43,89.19) 32.06,88.83 23.79,88.83 v2(21.88,90.74)
  Bottom w0.203: v2(21.88,90.74) 21.18,90.74 20.67,90.24 LEDs9.3 ; v2(32.43,89.19) 32.43,89.94 33.73,91.25 41.71,91.25 41.87,91.09 LEDs8.2
Net-(LEDs10-DIN): length 26
  Top w0.203: v2(18.57,74.94) 18.47,75.05 18.47,89.04 v2(18.63,89.19)
  Bottom w0.203: LEDs10.3 13.93,74.94 v2(18.57,74.94) ; LEDs9.2 22.87,90.47 22.09,91.25 20.68,91.25 v2(18.63,89.19)
Net-(LEDs10-DOUT): length 30.6
  Top w0.203: v2(9.48,76.24) 9.48,75.93 9.42,75.88 9.42,68.64 8.01,67.23 8.01,65.46 8.68,64.79 8.68,55.54 v2(8.82,55.39)
  Bottom w0.203: v2(8.82,55.39) LEDs11.3 ; v2(9.48,76.24) 9.93,76.69 LEDs10.2
Net-(LEDs11-DOUT): length 28.3
  Top w0.203: v2(12.23,36.59) 12.13,36.69 12.13,43.59 9.52,46.19 9.52,48.54 10.32,49.34 10.32,50.99 9.48,51.84 9.48,57.34 v2(9.27,57.54)
  Bottom w0.203: LEDs11.2 9.32,57.59 v2(9.27,57.54) ; v2(12.23,36.59) LEDs12.3
Net-(LEDs12-DOUT): length 26.1
  Top w0.203: v2(12.38,17.34) 11.93,17.79 11.93,25.19 14.43,27.69 14.43,34.64 15.52,35.74 v2(15.52,38.59)
  Bottom w0.203: v2(12.38,17.34) 13.43,17.34 ; v2(15.52,38.59) 15.32,38.79 LEDs12.2
Net-(LEDs13-DOUT): length 21.7
  Top w0.203: v2(26.27,17.39) 26.27,11.39 v2(26.98,10.69)
  Bottom w0.203: LEDs14.3 26.98,10.69 v2(26.98,10.69) ; LEDs13.2 18.07,19.49 20.18,17.39 v2(26.27,17.39)
Net-(LEDs14-DOUT): length 29
  Bottom w0.203: 24.78,9.9 26.73,11.85 40.97,11.85 44.48,8.34 50.38,8.34 51.18,9.15
Net-(LEDs15-DOUT): length 28.9
  Bottom w0.203: 74.97,9.24 73.78,8.04 69.47,8.04 65.67,11.85 50.98,11.85 48.98,9.84
Net-(LEDs16-DOUT): length 36.3
  Bottom w0.203: LEDs17.3 104.55,11.92 73.85,11.92 72.77,10.84 LEDs16.2
Net-(Q1-B): length 14.6
  Bottom w0.203: SW1.1 SW1.1 72.47,99.09 68.37,99.09 67.97,99.49 Q1.2 Q1.3 65.94,99.77 R6.1
Net-(Q2-G): length 1.7
  Bottom w0.203: Q2.1 6.84,98.84
Net-(Q3-C-Pad6): length 1.6
  Bottom w0.203: Q3.6 65.01,105.21 R10.1

## Copper pours and planes (outline as drawn; the poured copper is in the pictures)
+5V on Top: 11.27,95.69 1.77,95.69 1.77,99.59 11.27,99.59
GND on Top: 140.17,-6.51 -12.23,-6.51 -12.23,120.49 140.17,120.49
GND on Bottom: -12.23,-6.51 140.17,-6.51 140.17,120.49 -12.23,120.49
/USB_VBUS on Top: 21.18,103.59 15.68,103.59 15.68,104.99 21.18,104.99
/USB_VBUS_IN_LINK on Top: 110.97,103.99 105.47,103.99 105.47,105.39 110.97,105.39

## Text on the board
B.Silkscreen: Lakemountain Keyboards 2023 Martin Hinnerson | REV1
F.Silkscreen: Lakemountain Keyboards 2023 Martin Hinnerson | REV1
